# Altium PCB EDA-04211-V4_0_pcb.pcbdoc (part 7 of 12)
Units mm, origin at the board's own origin, x right, y up, seen from the top; angles counter-clockwise.
Board outline 304.8 x 128.5 mm, 14 copper layers (Top Layer, L2, L3GND, L4, L5GND, L6, L7GND, L8, L9GND, L10, L11GND, L12, L13GND, Bottom Layer), stack 4.06 mm thick; 143 components, 1224 nets, 5334 pads, 591 vias.
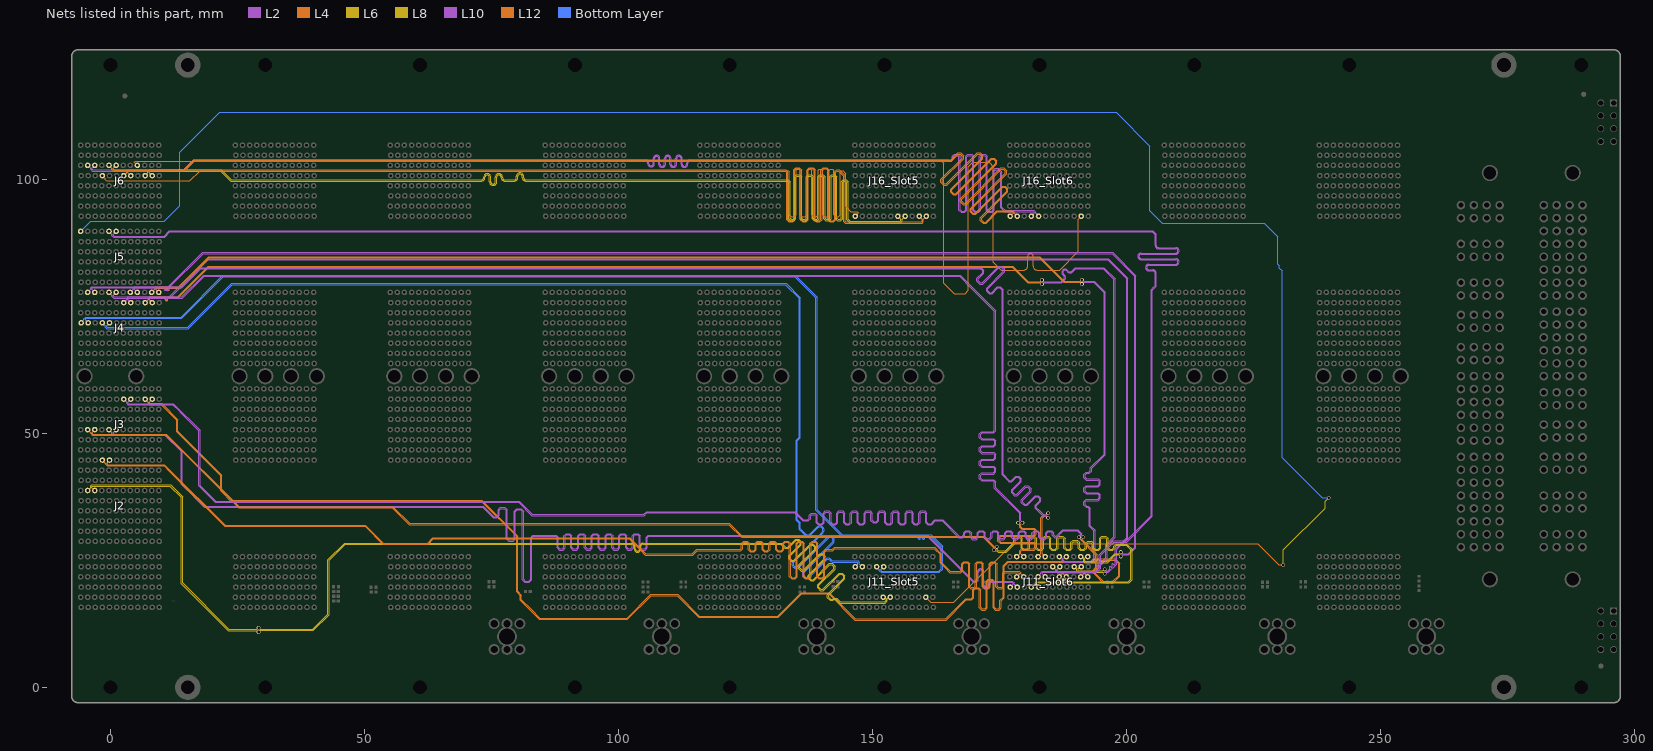
[diagram p19: the nets of this part, all layers, seen from the top]

## Via types
v1: diameter 0.75, hole 0.5, Top Layer to Bottom Layer, tented both sides, 549 vias
v2: diameter 0.85, hole 0.5, Top Layer to Bottom Layer, tented both sides, 32 vias
v3: diameter 1.3, hole 1, Top Layer to Bottom Layer, tented both sides, 10 vias

## Nets (pads, with @x,y where several pads share a name; then routed paths per layer and width w, separated by ;. In a path a pad name is that pad's centre, name@x,y a point inside that pad or via, vN(x,y) a via of type N, cw(c..) or ccw(c..) an arc to the next point about the centre after c; other vN are vias at no path point) (continued)
5_DIFF_12_P: J6.D5 J16_Slot5.A1 | length 247.7
  L4 w0.102: J6.D5@-1.58,100.75 -0.994,100.165 -0.994,99.971 -0.713,99.69 15.663,99.69 17.644,101.671 133.168,101.671 133.381,101.671 133.424,101.671 133.64,101.455 133.64,93.014 133.99,92.663 134.612,92.663 134.962,93.014 134.962,101.788 135.178,102.004 135.61,102.004 135.826,101.788 135.826,93.014 136.176,92.663 136.798,92.663 137.148,93.014 137.148,101.788 137.364,102.004 137.796,102.004 138.012,101.788 138.012,93.014 138.362,92.663 138.984,92.663 139.334,93.014 139.334,101.788 139.55,102.004 139.982,102.004 140.198,101.788 140.198,93.014 140.548,92.663 141.17,92.663 141.52,93.014 141.52,101.788 141.736,102.004 142.168,102.004 142.384,101.788 142.384,93.014 142.734,92.663 143.356,92.663 143.706,93.014 143.706,101.455 143.922,101.671 144.04,101.671 144.219,101.671 144.54,101.35 144.74,101.15 144.74,94.673 145.769,93.645 147.013,93.645 147.205,93.452 147.205,93.336 J16_Slot5.A1@146.62,92.75
5_DIFF_13_N: J6.H5 J16_Slot5.K1 | length 247.9
  L12 w0.102: J6.H5@4.02,100.75 3.434,101.335 3.434,101.482 3.598,101.646 132.565,101.646 132.851,101.646 133.13,101.366 133.13,92.065 133.544,91.652 134.292,91.652 134.706,92.065 134.706,101.807 134.986,102.087 135.545,102.087 135.824,101.807 135.824,92.065 136.238,91.652 136.986,91.652 137.4,92.065 137.4,101.807 137.679,102.087 138.238,102.087 138.518,101.807 138.518,92.065 138.932,91.652 139.68,91.652 140.094,92.065 140.094,101.807 140.373,102.087 140.932,102.087 141.212,101.807 141.212,92.065 141.626,91.652 142.374,91.652 142.788,92.065 142.788,101.366 143.067,101.646 143.186,101.646 143.344,101.646 144.4,100.59 144.4,91.66 144.676,91.384 159.783,91.384 160.034,91.636 160.035,92.165 J16_Slot5.K1@160.62,92.75
5_DIFF_13_P: J6.G5 J16_Slot5.J1 | length 247.9
  L12 w0.102: J6.G5@2.62,100.75 3.206,101.335 3.206,101.577 3.503,101.875 132.565,101.875 132.945,101.875 133.359,101.461 133.359,92.16 133.639,91.881 134.198,91.881 134.477,92.16 134.477,101.902 134.891,102.316 135.639,102.316 136.053,101.902 136.053,92.16 136.332,91.881 136.892,91.881 137.171,92.16 137.171,101.902 137.585,102.316 138.333,102.316 138.747,101.902 138.747,92.16 139.026,91.881 139.585,91.881 139.865,92.16 139.865,101.902 140.279,102.316 141.027,102.316 141.441,101.902 141.441,92.16 141.72,91.881 142.279,91.881 142.559,92.16 142.559,101.461 142.973,101.875 143.186,101.875 143.439,101.875 144.629,100.685 144.629,91.755 144.771,91.613 159.688,91.613 159.805,91.731 159.805,92.164 J16_Slot5.J1@159.22,92.75
5_DIFF_14_N: J6.K5 J16_Slot5.H1 | length 247.8
  L8 w0.12: J6.K5@8.22,100.75 7.655,101.315 7.655,101.457 7.823,101.625 21.732,101.625 23.713,99.644 71.994,99.644 73.025,99.644 ccw(c73.025,100.355) 73.736,100.355 73.736,100.426 cw(c74.177,100.426) 74.618,100.426 74.618,99.509 ccw(c75.329,99.509) 76.04,99.509 76.04,100.426 cw(c76.481,100.426) 76.922,100.426 76.922,100.355 ccw(c77.633,100.355) 77.633,99.644 78.98,99.644 79.29,99.644 79.485,99.644 ccw(c79.485,100.355) 80.196,100.355 80.196,100.564 cw(c80.637,100.564) 81.078,100.564 81.078,100.355 ccw(c81.789,100.355) 81.789,99.644 82.832,99.644 132.34,99.644 132.786,99.644 133.303,99.644 133.523,99.424 133.523,92.219 133.902,91.841 134.566,91.841 134.945,92.219 134.945,100.408 135.166,100.629 135.607,100.629 135.827,100.408 135.827,92.219 136.206,91.841 136.87,91.841 137.249,92.219 137.249,100.408 137.469,100.629 137.91,100.629 138.131,100.408 138.131,92.219 138.509,91.841 139.174,91.841 139.552,92.219 139.552,100.408 139.773,100.629 140.214,100.629 140.434,100.408 140.434,92.219 140.813,91.841 141.477,91.841 141.856,92.219 141.856,100.408 142.077,100.629 142.518,100.629 142.738,100.408 142.738,92.219 143.117,91.841 143.781,91.841 144.16,92.219 144.16,99.424 144.38,99.644 144.519,99.644 144.746,99.644 144.94,99.45 144.94,92.068 145.543,91.465 145.906,91.465 155.575,91.465 155.855,91.745 155.855,92.185 J16_Slot5.H1@156.42,92.75
5_DIFF_14_P: J6.J5 J16_Slot5.G1 | length 247.8
  L8 w0.12: J6.J5@6.82,100.75 7.385,101.315 7.385,101.569 7.711,101.895 21.844,101.895 23.825,99.914 71.994,99.914 73.025,99.914 ccw(c73.025,100.355) 73.466,100.355 73.466,100.426 cw(c74.177,100.426) 74.888,100.426 74.888,99.509 ccw(c75.329,99.509) 75.77,99.509 75.77,100.426 cw(c76.481,100.426) 77.192,100.426 77.192,100.355 ccw(c77.633,100.355) 77.633,99.914 78.98,99.914 79.29,99.914 79.485,99.914 ccw(c79.485,100.355) 79.926,100.355 79.926,100.564 cw(c80.637,100.564) 81.348,100.564 81.348,100.355 ccw(c81.789,100.355) 81.789,99.914 82.832,99.914 132.34,99.914 132.786,99.914 133.415,99.914 133.793,99.535 133.793,92.331 134.014,92.11 134.455,92.11 134.675,92.331 134.675,100.52 135.054,100.898 135.718,100.898 136.097,100.52 136.097,92.331 136.317,92.11 136.758,92.11 136.979,92.331 136.979,100.52 137.357,100.898 138.022,100.898 138.401,100.52 138.401,92.331 138.621,92.11 139.062,92.11 139.283,92.331 139.283,100.52 139.661,100.898 140.326,100.898 140.704,100.52 140.704,92.331 140.925,92.11 141.366,92.11 141.586,92.331 141.586,100.52 141.965,100.898 142.629,100.898 143.008,100.52 143.008,92.331 143.228,92.11 143.669,92.11 143.89,92.331 143.89,99.535 144.268,99.914 144.519,99.914 144.858,99.914 145.21,99.562 145.21,92.18 145.655,91.735 146.018,91.735 155.463,91.735 155.585,91.857 155.585,92.185 J16_Slot5.G1@155.02,92.75
5_DIFF_15_N: J2.C6 J11_Slot5.F2 | length 246.1
  L8 w0.12: J2.C6@-3.08,38.75 -3.645,39.315 -3.645,39.539 -3.575,39.609 11.729,39.609 13.949,37.39 13.949,20.44 23.197,11.191 28.794,11.191 29.085,10.9 v1(29.179,10.9)
  L6 w0.102: v1(29.179,10.9) 29.491,11.212 39.917,11.212 43.048,14.343 43.048,25.004 46.218,28.175 101.871,28.175 102.663,28.175 cw(c102.663,27.743) 103.095,27.743 103.095,27.269 ccw(c103.756,27.269) 103.756,26.608 ccw(c103.756,27.269) 104.417,27.269 104.417,27.743 cw(c104.849,27.743) 104.849,28.175 105.015,28.175 131.98,28.175 132.45,27.705 132.533,27.622 132.583,27.571 132.73,27.424 132.805,27.349 133.391,27.349 134.963,28.922 135.359,28.922 135.754,28.526 135.754,28.131 133.519,25.896 133.519,25.31 134.049,24.78 134.635,24.78 137.832,27.976 138.227,27.976 138.622,27.581 138.622,27.186 135.426,23.989 135.426,23.403 135.956,22.872 136.543,22.872 139.739,26.069 140.134,26.069 140.53,25.674 140.53,25.278 137.333,22.082 137.333,21.496 137.864,20.965 138.45,20.965 141.646,24.162 142.041,24.162 142.437,23.767 142.437,23.371 139.24,20.175 139.24,19.589 139.771,19.058 140.357,19.058 143.553,22.255 143.949,22.255 144.344,21.859 144.344,21.464 141.147,18.268 141.147,17.681 141.678,17.151 142.264,17.151 142.436,17.323 142.831,17.323 142.864,17.29 ; 142.865,17.29 142.916,17.24 143.49,16.665 143.492,16.665 143.557,16.601 152.49,16.601 152.934,17.046 152.934,17.426 153.259,17.75 J11_Slot5.F2@153.52,17.75
5_DIFF_15_P: J2.B6 J11_Slot5.E2 | length 246.1
  L8 w0.12: J2.B6@-4.48,38.75 -3.915,39.315 -3.915,39.651 -3.687,39.879 11.841,39.879 14.219,37.502 14.219,20.551 23.309,11.461 28.794,11.461 29.085,11.752 v1(29.179,11.752)
  L6 w0.102: v1(29.179,11.752) 29.491,11.441 39.822,11.441 42.819,14.437 42.819,25.099 46.124,28.404 101.871,28.404 102.663,28.404 cw(c102.663,27.743) 103.324,27.743 103.324,27.269 ccw(c103.756,27.269) 103.756,26.837 ccw(c103.756,27.269) 104.188,27.269 104.188,27.743 cw(c104.849,27.743) 104.849,28.404 105.015,28.404 132.075,28.404 132.612,27.867 132.695,27.784 ; 132.696,27.784 132.9,27.58 133.295,27.58 134.868,29.152 135.454,29.152 135.984,28.622 135.984,28.036 133.749,25.801 133.749,25.405 134.145,25.01 134.54,25.01 137.736,28.207 138.323,28.207 138.853,27.676 138.853,27.09 135.657,23.894 135.657,23.498 136.052,23.103 136.447,23.103 139.644,26.299 140.23,26.299 140.76,25.769 140.76,25.183 137.564,21.986 137.564,21.591 137.959,21.196 138.354,21.196 141.551,24.392 142.137,24.392 142.667,23.862 142.667,23.276 139.471,20.079 139.471,19.684 139.866,19.289 140.261,19.289 143.458,22.485 144.044,22.485 144.574,21.955 144.574,21.369 141.378,18.172 141.378,17.777 141.773,17.382 142.169,17.382 142.34,17.553 142.927,17.553 142.96,17.52 ; 142.961,17.52 143.079,17.403 143.652,16.83 152.395,16.83 152.705,17.14 152.705,17.426 152.381,17.75 J11_Slot5.E2@152.12,17.75
5_MGT_Rx_N: J4.E5 J11_Slot5.B5 | length 238.7
  Bottom Layer w0.15: J4.E5@-0.18,71.75 -0.754,71.176 -0.754,71.004 -0.639,70.889 15.247,70.889 23.868,79.51 132.991,79.51 135.831,76.67 135.831,49.147 135.252,48.568 135.252,33.004 135.831,32.424 135.831,31.298 135.831,31.204 135.963,31.072 136.864,30.172 ccw(c137.277,30.583) 137.69,30.171 139.078,31.559 ; 134.567,23.865 cw(c134.98,24.276) 134.566,24.687 140.258,30.379 ccw(c139.669,30.97) 140.259,31.56 ccw(c139.669,30.97) 139.078,31.56 ; 134.568,23.864 ccw(c134.98,24.276) 135.392,23.865 ; 135.393,23.865 141.083,29.555 ; 136.572,21.86 cw(c136.984,22.272) 136.571,22.683 142.263,28.375 ccw(c141.674,28.965) 142.264,29.556 ccw(c141.674,28.965) 141.083,29.555 ; 136.573,21.859 ccw(c136.984,22.272) 137.397,21.86 ; 137.397,21.86 140.696,25.158 cw(c141.287,24.569) 141.837,25.196 141.84,25.196 141.876,25.16 cw(c141.287,24.569) 141.877,25.158 141.914,25.122 142.019,25.017 142.161,24.875 147.165,24.875 147.414,24.626 147.414,24.198 147.862,23.75 J11_Slot5.B5@148.02,23.75
5_MGT_Rx_P: J4.D5 J11_Slot5.A5 | length 238.6
  Bottom Layer w0.15: J4.D5@-1.58,71.75 -1.006,71.176 -1.006,70.9 -0.743,70.637 13.99,70.637 15.351,70.637 23.972,79.259 132.887,79.259 135.58,76.566 135.58,49.252 135,48.672 135,32.9 135.58,32.32 135.58,31.1 135.606,31.073 135.748,30.932 ccw(c135.837,31.02) 135.749,30.931 136.686,29.994 ccw(c137.277,30.583) 137.868,29.994 139.258,31.384 cw(c139.669,30.97) 140.08,31.383 ; 134.39,24.867 ccw(c134.98,24.276) 134.39,23.686 ccw(c134.98,24.276) 135.57,23.687 141.262,29.379 cw(c141.674,28.965) 142.085,29.379 cw(c141.674,28.965) 142.086,29.378 cw(c141.674,28.965) 142.087,29.377 cw(c141.674,28.965) 142.085,28.553 136.395,22.863 ccw(c136.984,22.272) 136.394,21.681 ccw(c136.984,22.272) 137.575,21.682 ; 134.39,24.867 140.08,30.557 ccw(c139.669,30.97) 140.082,31.381 ccw(c139.669,30.97) 140.081,31.382 ; 137.575,21.682 140.874,24.98 cw(c141.287,24.569) 141.7,24.98 141.736,24.944 141.841,24.839 142.057,24.623 147.061,24.623 147.162,24.522 147.162,24.134 146.778,23.75 J11_Slot5.A5@146.62,23.75 ; 140.081,31.382 ccw(c139.669,30.97) 140.08,31.383
5_MGT_Tx_N: J4.B5 J11_Slot5.E5 | length 238.5
  Bottom Layer w0.15: J4.B5@-4.38,71.75 -4.954,72.324 -4.954,72.418 -4.754,72.618 11.958,72.618 14.03,72.618 22.248,80.836 134.663,80.836 138.848,76.65 138.848,34.867 143.972,29.743 148.584,29.743 158.858,29.743 158.903,29.738 158.945,29.723 158.983,29.699 159.015,29.668 159.039,29.63 159.053,29.588 159.058,29.543 159.058,29.352 159.063,29.308 159.078,29.266 159.102,29.228 159.134,29.196 159.172,29.172 159.214,29.157 159.258,29.152 159.303,29.157 159.345,29.172 159.383,29.196 159.415,29.228 159.439,29.266 159.453,29.308 159.458,29.352 159.458,29.543 159.463,29.588 159.478,29.63 159.502,29.668 159.534,29.699 159.572,29.723 159.614,29.738 159.658,29.743 159.703,29.738 159.745,29.723 159.783,29.699 159.815,29.668 159.839,29.63 159.853,29.588 159.858,29.543 159.858,29.352 159.863,29.308 159.878,29.266 159.902,29.228 159.934,29.196 159.972,29.172 160.014,29.157 160.058,29.152 160.103,29.157 160.145,29.172 160.183,29.196 160.215,29.228 160.239,29.266 160.253,29.308 160.258,29.352 160.258,29.543 160.263,29.588 160.278,29.63 160.302,29.668 160.334,29.699 160.372,29.723 160.414,29.738 160.458,29.743 161.512,29.743 163.572,27.683 163.572,23.393 163.061,22.883 151.837,22.883 151.646,23.074 151.646,23.176 J11_Slot5.E5@152.22,23.75
5_MGT_Tx_P: J4.A5 J11_Slot5.D5 | length 238.5
  Bottom Layer w0.15: J4.A5@-5.78,71.75 -5.206,72.324 -5.206,72.522 -4.858,72.87 11.958,72.87 13.926,72.87 22.143,81.087 134.767,81.087 139.1,76.755 139.1,34.971 144.077,29.995 148.584,29.995 158.858,29.995 161.616,29.995 163.824,27.788 163.824,23.289 163.166,22.631 151.733,22.631 151.394,22.97 151.394,23.176 J11_Slot5.D5@150.82,23.75
5_SERVMOD: J5.A6 J11_Slot5.K2 | length 419.7
  L8 w0.102: v1(230.881,24.09) 230.881,27.075 239.1,35.294 239.1,36.618 v1(239.823,37.341)
  L12 w0.102: J11_Slot5.K2@160.52,17.75 160.52,17.714 161.488,16.746 166.06,16.746 177.591,28.278 225.826,28.278 230.014,24.09 v1(230.881,24.09)
  Bottom Layer w0.102: J5.A6@-5.88,89.75 -4.055,91.575 -3.849,91.781 10.551,91.781 13.62,94.85 13.62,105.341 21.475,113.197 27.52,113.197 197.973,113.197 204.62,106.55 204.62,93.85 207.073,91.397 225.946,91.397 227.173,91.397 229.82,88.75 229.82,83.276 230.088,83.008 230.088,82.51 230.635,81.963 230.635,45.235 238.529,37.341 v1(239.823,37.341)
6_CLK_N: J5.F6 J11_Slot6.F4 | length 318
  L2 w0.102: J5.F6@1.12,89.75 0.534,89.165 0.534,89.038 0.728,88.845 9.723,88.845 10.571,88.844 11.603,89.876 205.148,89.876 205.862,89.162 205.862,87.183 205.862,87.018 ccw(c206.294,87.018) 206.294,86.586 209.717,86.586 cw(c209.717,85.925) 210.378,85.925 cw(c209.717,85.925) 209.717,85.264 202.89,85.264 ccw(c202.89,84.832) 202.458,84.832 ccw(c202.89,84.832) 202.89,84.4 209.717,84.4 cw(c209.717,83.739) 210.378,83.739 cw(c209.717,83.739) 209.717,83.078 204.414,83.078 ccw(c204.414,82.646) 203.982,82.646 ccw(c204.414,82.646) 204.414,82.214 205.201,82.214 cw(c205.201,81.553) 205.862,81.553 205.862,78.961 205.744,78.843 205.12,78.219 205.12,33.687 200.033,28.6 197.5,28.6 194.9,26 194.9,23.467 194.085,22.652 183.557,22.652 183.414,22.509 183.414,22.336 J11_Slot6.F4@184,21.75
6_CLK_P: J5.E6 J11_Slot6.E4 | length 318
  L2 w0.102: J5.E6@-0.28,89.75 0.306,89.165 0.306,88.943 0.633,88.615 10.666,88.615 11.698,89.647 205.053,89.647 205.633,89.067 205.633,87.183 205.633,87.018 ccw(c206.294,87.018) 206.294,86.357 209.717,86.357 cw(c209.717,85.925) 210.149,85.925 cw(c209.717,85.925) 209.717,85.493 202.89,85.493 ccw(c202.89,84.832) 202.229,84.832 ccw(c202.89,84.832) 202.89,84.171 209.717,84.171 cw(c209.717,83.739) 210.149,83.739 cw(c209.717,83.739) 209.717,83.307 204.414,83.307 ccw(c204.414,82.646) 203.753,82.646 ccw(c204.414,82.646) 204.414,81.985 205.201,81.985 cw(c205.201,81.553) 205.633,81.553 205.633,79.055 205.42,78.843 204.891,78.313 204.891,33.782 199.938,28.829 197.405,28.829 194.671,26.095 194.671,23.562 193.99,22.881 183.462,22.881 183.186,22.604 183.186,22.336 J11_Slot6.E4@182.6,21.75
6_DIFF_0_N: J3.C4 J11_Slot6.E3 | length 268.3
  L4 w0.102: J3.C4@-3.08,50.75 -3.665,50.164 -3.665,50.083 -3.438,49.856 11.04,49.856 25.325,35.571 55.621,35.571 58.922,32.269 121.845,32.269 124.334,29.779 171.896,29.779 172.334,29.342 172.61,29.066 173.51,28.165 ; 173.51,28.165 174.009,27.666 174.468,27.666 v1(174.478,27.656)
  L8 w0.12: v1(174.478,27.656) 174.478,27.486 174.621,27.342 174.621,27.135 174.907,26.85 176.24,26.85 177.421,28.031 177.844,28.454 177.844,29.322 178.286,29.764 179.077,29.764 179.519,29.322 179.519,27.509 179.803,27.225 180.371,27.225 180.655,27.509 180.655,29.322 181.097,29.764 181.889,29.764 182.331,29.322 182.331,27.509 182.615,27.225 183.183,27.225 183.467,27.509 183.467,29.322 183.909,29.764 184.701,29.764 185.143,29.322 185.143,27.509 185.427,27.225 185.995,27.225 186.279,27.509 186.279,29.322 186.721,29.764 187.512,29.764 187.954,29.322 187.954,27.509 188.238,27.225 188.806,27.225 189.09,27.509 189.09,28.521 189.533,28.963 190.324,28.963 190.766,28.521 190.766,27.509 191.05,27.225 191.618,27.225 191.902,27.509 191.902,28.321 192.344,28.763 193.136,28.763 193.578,28.321 193.578,27.509 193.862,27.225 194.43,27.225 194.714,27.509 194.714,29.322 195.156,29.764 195.947,29.764 196.389,29.322 196.389,27.509 196.673,27.225 197.241,27.225 197.525,27.509 197.525,27.778 197.968,28.22 198.346,28.22 200.062,28.22 201.11,27.172 201.11,21.138 200.522,20.55 182.384,20.55 182.135,20.301 182.135,20.202 182.587,19.75 J11_Slot6.E3@182.7,19.75
6_DIFF_0_P: J3.B4 J11_Slot6.D3 | length 268.3
  L4 w0.102: J3.B4@-4.48,50.75 -3.895,50.164 -3.895,49.988 -3.533,49.626 10.945,49.626 14.39,46.182 25.23,35.342 55.526,35.342 58.827,32.04 121.75,32.04 124.24,29.55 171.802,29.55 172.105,29.247 172.367,28.985 173.281,28.071 173.848,27.504 v1@173.848,27.046
  L8 w0.12: v1(173.886,27.043) 174.057,27.043 174.179,26.921 174.454,26.921 174.795,26.58 176.352,26.58 177.421,27.649 178.114,28.342 178.114,29.21 178.398,29.494 178.966,29.494 179.25,29.21 179.25,27.397 179.692,26.955 180.483,26.955 180.925,27.397 180.925,29.21 181.209,29.494 181.777,29.494 182.061,29.21 182.061,27.397 182.503,26.955 183.295,26.955 183.737,27.397 183.737,29.21 184.021,29.494 184.589,29.494 184.873,29.21 184.873,27.397 185.315,26.955 186.107,26.955 186.549,27.397 186.549,29.21 186.833,29.494 187.401,29.494 187.685,29.21 187.685,27.397 188.127,26.955 188.918,26.955 189.36,27.397 189.36,28.409 189.644,28.693 190.212,28.693 190.496,28.409 190.496,27.397 190.938,26.955 191.73,26.955 192.172,27.397 192.172,28.209 192.456,28.493 193.024,28.493 193.308,28.209 193.308,27.397 193.75,26.955 194.542,26.955 194.984,27.397 194.984,29.21 195.268,29.494 195.836,29.494 196.12,29.21 196.12,27.397 196.562,26.955 197.353,26.955 197.795,27.397 197.795,27.666 198.079,27.95 198.346,27.95 199.95,27.95 200.84,27.06 200.84,21.25 200.41,20.82 182.272,20.82 181.865,20.413 181.865,20.202 181.413,19.75 J11_Slot6.D3@181.3,19.75
6_DIFF_1_N: J3.F4 J11_Slot6.B3 | length 270.3
  L10 w0.102: J3.F4@1.12,50.75 0.534,50.164 0.534,50.049 0.728,49.856 10.837,49.856 14.168,46.525 14.168,40.117 16.606,37.679 18.613,35.672 73.418,35.672 75.166,33.924 75.47,33.62 75.955,33.62 76.298,33.963 76.298,34.949 76.775,35.426 77.651,35.426 78.128,34.949 78.128,29.361 78.471,29.018 79.157,29.018 79.5,29.361 79.5,34.693 79.977,35.17 80.853,35.17 81.33,34.693 81.33,21.242 81.673,20.899 82.359,20.899 82.702,21.242 82.702,29.49 83.179,29.967 83.392,29.967 85.145,29.967 87.748,29.967 88.162,29.554 88.162,27.532 88.441,27.253 89,27.253 89.28,27.532 89.28,29.813 89.693,30.226 90.442,30.226 90.856,29.813 90.856,27.532 91.135,27.253 91.694,27.253 91.974,27.532 91.974,29.813 92.387,30.226 93.136,30.226 93.55,29.813 93.55,27.532 93.829,27.253 94.388,27.253 94.668,27.532 94.668,29.813 95.081,30.226 95.83,30.226 96.244,29.813 96.244,27.532 96.523,27.253 97.082,27.253 97.362,27.532 97.362,29.813 97.775,30.226 98.524,30.226 98.938,29.813 98.938,27.532 99.217,27.253 99.776,27.253 100.056,27.532 100.056,29.813 100.469,30.226 101.218,30.226 101.632,29.813 101.632,27.532 101.911,27.253 102.47,27.253 102.75,27.532 102.75,29.813 103.163,30.226 103.912,30.226 104.326,29.813 104.326,27.532 104.605,27.253 105.164,27.253 105.444,27.532 105.444,29.554 105.857,29.967 106.07,29.967 160.868,29.967 169.936,20.9 170.033,20.9 170.199,20.9 ccw(c170.199,21.331) 170.631,21.331 170.631,22.669 cw(c171.292,22.669) 171.953,22.669 171.953,20.175 ccw(c172.385,20.175) 172.817,20.175 172.817,20.239 cw(c173.478,20.239) 173.478,20.9 175.206,20.9 177.563,20.9 177.915,20.548 177.915,20.335 J11_Slot6.B3@178.5,19.75
6_DIFF_1_P: J3.E4 J11_Slot6.A3 | length 270.3
  L10 w0.102: J3.E4@-0.28,50.75 0.306,50.164 0.306,49.954 0.633,49.626 10.742,49.626 13.939,46.43 13.939,40.022 16.282,37.679 16.444,37.517 18.518,35.443 73.323,35.443 75.166,33.6 75.375,33.391 76.05,33.391 76.527,33.868 76.527,34.854 76.87,35.197 77.556,35.197 77.899,34.854 77.899,29.266 78.376,28.789 79.252,28.789 79.729,29.266 79.729,34.598 80.072,34.941 80.758,34.941 81.101,34.598 81.101,21.147 81.578,20.67 82.454,20.67 82.931,21.147 82.931,29.395 83.274,29.738 83.392,29.738 85.145,29.738 87.653,29.738 87.933,29.459 87.933,27.437 88.346,27.024 89.095,27.024 89.509,27.437 89.509,29.718 89.788,29.997 90.347,29.997 90.627,29.718 90.627,27.437 91.04,27.024 91.789,27.024 92.203,27.437 92.203,29.718 92.482,29.997 93.041,29.997 93.321,29.718 93.321,27.437 93.734,27.024 94.483,27.024 94.897,27.437 94.897,29.718 95.176,29.997 95.735,29.997 96.015,29.718 96.015,27.437 96.428,27.024 97.177,27.024 97.591,27.437 97.591,29.718 97.87,29.997 98.429,29.997 98.709,29.718 98.709,27.437 99.122,27.024 99.871,27.024 100.285,27.437 100.285,29.718 100.564,29.997 101.123,29.997 101.403,29.718 101.403,27.437 101.816,27.024 102.565,27.024 102.979,27.437 102.979,29.718 103.258,29.997 103.817,29.997 104.097,29.718 104.097,27.437 104.51,27.024 105.259,27.024 105.673,27.437 105.673,29.459 105.952,29.738 106.07,29.738 160.773,29.738 169.841,20.67 170.033,20.67 170.199,20.67 ccw(c170.199,21.331) 170.86,21.331 170.86,22.669 cw(c171.292,22.669) 171.724,22.669 171.724,20.175 ccw(c172.385,20.175) 173.046,20.175 173.046,20.239 cw(c173.478,20.239) 173.478,20.67 175.206,20.67 177.468,20.67 177.685,20.453 177.685,20.335 J11_Slot6.A3@177.1,19.75
6_DIFF_2_N: J3.E1 J11_Slot6.C4 | length 270.5
  L4 w0.102: J3.E1@-0.18,44.75 -0.766,44.165 -0.766,44.11 -0.491,43.836 10.646,43.836 11.621,42.861 22.569,31.913 50.21,31.913 53.741,28.383 62.428,28.383 63.495,29.449 102.241,29.449 104.44,27.25 105.408,26.282 114.531,26.282 115.399,27.15 122.339,27.15 123.95,27.15 124.23,27.429 124.23,28.378 124.643,28.792 125.392,28.792 125.806,28.378 125.806,27.159 126.085,26.88 126.644,26.88 126.924,27.159 126.924,28.378 127.337,28.792 128.086,28.792 128.5,28.378 128.5,27.159 128.779,26.88 129.338,26.88 129.618,27.159 129.618,28.378 130.031,28.792 130.78,28.792 131.194,28.378 131.194,27.159 131.473,26.88 132.032,26.88 132.312,27.159 132.312,28.378 132.725,28.792 133.474,28.792 133.887,28.378 133.887,21.877 134.167,21.597 134.726,21.597 135.005,21.877 135.005,28.378 135.419,28.792 136.168,28.792 136.581,28.378 136.581,21.877 136.861,21.597 137.42,21.597 137.699,21.877 137.699,28.378 138.113,28.792 138.862,28.792 139.275,28.378 139.275,21.877 139.555,21.597 140.114,21.597 140.393,21.877 140.393,26.736 140.807,27.15 141.02,27.15 142.14,27.15 142.54,27.55 162.24,27.55 163.54,26.25 163.54,24.65 165.36,22.83 167.175,22.83 167.293,22.83 167.573,23.109 167.573,24.305 167.986,24.719 168.735,24.719 169.149,24.305 169.149,19.949 169.428,19.669 169.987,19.669 170.267,19.949 170.267,24.305 170.68,24.719 171.429,24.719 171.843,24.305 171.843,19.949 172.122,19.669 172.681,19.669 172.961,19.949 172.961,24.305 173.374,24.719 174.123,24.719 174.537,24.305 174.537,19.949 174.816,19.669 175.375,19.669 175.655,19.949 175.655,22.416 176.068,22.83 176.609,22.83 177.009,22.83 178.934,22.83 179.087,22.677 179.215,22.55 179.215,22.336 J11_Slot6.C4@179.8,21.75
6_DIFF_2_P: J3.D1 J11_Slot6.B4 | length 270.5
  L4 w0.102: J3.D1@-1.58,44.75 -0.994,44.165 -0.994,44.015 -0.586,43.607 10.551,43.607 11.526,42.632 22.474,31.684 50.116,31.684 53.646,28.154 62.523,28.154 63.589,29.22 102.146,29.22 104.116,27.25 104.278,27.088 105.313,26.053 114.626,26.053 115.494,26.921 122.339,26.921 124.045,26.921 124.459,27.335 124.459,28.283 124.738,28.563 125.297,28.563 125.577,28.283 125.577,27.065 125.99,26.651 126.739,26.651 127.153,27.065 127.153,28.283 127.432,28.563 127.991,28.563 128.271,28.283 128.271,27.065 128.684,26.651 129.433,26.651 129.847,27.065 129.847,28.283 130.126,28.563 130.685,28.563 130.965,28.283 130.965,27.065 131.378,26.651 132.127,26.651 132.54,27.065 132.54,28.283 132.82,28.563 133.379,28.563 133.658,28.283 133.658,21.782 134.072,21.368 134.821,21.368 135.234,21.782 135.234,28.283 135.514,28.563 136.073,28.563 136.352,28.283 136.352,21.782 136.766,21.368 137.515,21.368 137.928,21.782 137.928,28.283 138.208,28.563 138.767,28.563 139.046,28.283 139.046,21.782 139.46,21.368 140.209,21.368 140.622,21.782 140.622,26.642 140.902,26.921 141.02,26.921 142.235,26.921 142.635,27.321 162.145,27.321 163.311,26.155 163.311,24.555 164.216,23.65 165.265,22.601 167.175,22.601 167.388,22.601 167.802,23.015 167.802,24.21 168.081,24.49 168.64,24.49 168.92,24.21 168.92,19.854 169.333,19.44 170.082,19.44 170.496,19.854 170.496,24.21 170.775,24.49 171.334,24.49 171.614,24.21 171.614,19.854 172.027,19.44 172.776,19.44 173.19,19.854 173.19,24.21 173.469,24.49 174.028,24.49 174.308,24.21 174.308,19.854 174.721,19.44 175.47,19.44 175.884,19.854 175.884,22.321 176.163,22.601 176.609,22.601 178.839,22.601 178.985,22.455 178.985,22.336 J11_Slot6.B4@178.4,21.75
6_DIFF_3_N: J3.H7 J11_Slot6.L4 | length 269.9
  L2 w0.102: J3.H7@4.02,56.75 3.434,56.165 3.434,55.988 3.547,55.875 6.751,55.875 12.399,55.875 17.648,50.626 17.648,39.736 18.841,38.542 20.746,36.637 80.436,36.637 83.027,34.047 104.998,34.047 105.532,34.58 134.786,34.58 136.387,32.979 137.19,32.979 137.309,32.979 137.588,33.258 137.588,33.842 138.002,34.255 138.75,34.255 139.164,33.842 139.164,32.499 139.444,32.219 140.003,32.219 140.282,32.499 140.282,34.315 140.696,34.729 141.444,34.729 141.858,34.315 141.858,32.499 142.138,32.219 142.697,32.219 142.976,32.499 142.976,34.315 143.39,34.729 144.138,34.729 144.552,34.315 144.552,32.499 144.832,32.219 145.391,32.219 145.67,32.499 145.67,34.315 146.084,34.729 146.832,34.729 147.246,34.315 147.246,32.499 147.526,32.219 148.085,32.219 148.364,32.499 148.364,34.315 148.778,34.729 149.526,34.729 149.94,34.315 149.94,32.877 150.22,32.598 150.779,32.598 151.058,32.877 151.058,34.315 151.472,34.729 152.22,34.729 152.634,34.315 152.634,32.499 152.914,32.219 153.473,32.219 153.752,32.499 153.752,34.315 154.166,34.729 154.914,34.729 155.328,34.315 155.328,32.499 155.608,32.219 156.167,32.219 156.446,32.499 156.446,34.315 156.86,34.729 157.608,34.729 158.022,34.315 158.022,32.499 158.301,32.219 158.861,32.219 159.14,32.499 159.14,34.315 159.554,34.729 160.302,34.729 160.716,34.315 160.716,32.499 160.995,32.219 161.554,32.219 161.834,32.499 161.834,32.565 162.248,32.979 163.512,32.979 163.835,32.979 167.085,29.729 167.541,29.729 167.66,29.729 167.939,30.008 167.939,30.426 168.353,30.839 169.101,30.839 169.515,30.426 169.515,29.601 169.795,29.321 170.354,29.321 170.633,29.601 170.633,30.426 171.047,30.839 171.795,30.839 172.209,30.426 172.209,29.601 172.489,29.321 173.048,29.321 173.327,29.601 173.327,30.426 173.741,30.839 174.489,30.839 174.903,30.426 174.903,29.601 175.183,29.321 175.742,29.321 176.021,29.601 176.021,30.426 176.435,30.839 177.183,30.839 177.597,30.426 177.597,29.601 177.877,29.321 178.436,29.321 178.715,29.601 178.715,30.426 179.129,30.839 179.877,30.839 180.291,30.426 180.291,29.601 180.571,29.321 181.13,29.321 181.409,29.601 181.409,30.426 181.823,30.839 182.571,30.839 182.985,30.426 182.985,29.601 183.265,29.321 183.824,29.321 184.103,29.601 184.103,30.426 184.517,30.839 185.265,30.839 185.679,30.426 185.679,30.008 185.959,29.729 186.086,29.729 186.177,29.729 187.472,31.024 190.437,31.024 190.92,30.541 191.199,30.262 191.199,29.902 191.511,29.59 v1(191.511,29.551)
  L4 w0.102: v1(191.511,29.551) 191.511,29.512 191.199,29.2 191.199,29.116 194.241,26.073 194.241,25.004 194.241,23.571 193.322,22.652 191.964,22.652 191.815,22.502 191.815,22.336 J11_Slot6.L4@192.4,21.75
6_DIFF_3_P: J3.G7 J11_Slot6.K4 | length 269.9
  L2 w0.102: J3.G7@2.62,56.75 3.206,56.165 3.206,55.893 3.452,55.646 12.304,55.646 13.533,54.417 13.695,54.255 17.419,50.532 17.419,39.641 18.679,38.38 18.841,38.219 20.652,36.408 80.342,36.408 82.932,33.818 105.093,33.818 105.627,34.351 134.691,34.351 136.148,32.894 136.292,32.75 137.19,32.75 137.403,32.75 137.817,33.164 137.817,33.747 138.097,34.026 138.656,34.026 138.935,33.747 138.935,32.404 139.349,31.99 140.097,31.99 140.511,32.404 140.511,34.22 140.791,34.5 141.35,34.5 141.629,34.22 141.629,32.404 142.043,31.99 142.791,31.99 143.205,32.404 143.205,34.22 143.485,34.5 144.044,34.5 144.323,34.22 144.323,32.404 144.737,31.99 145.485,31.99 145.899,32.404 145.899,34.22 146.179,34.5 146.738,34.5 147.017,34.22 147.017,32.404 147.431,31.99 148.179,31.99 148.593,32.404 148.593,34.22 148.873,34.5 149.432,34.5 149.711,34.22 149.711,32.782 150.125,32.369 150.873,32.369 151.287,32.782 151.287,34.22 151.567,34.5 152.126,34.5 152.405,34.22 152.405,32.404 152.819,31.99 153.567,31.99 153.981,32.404 153.981,34.22 154.261,34.5 154.82,34.5 155.099,34.22 155.099,32.404 155.513,31.99 156.261,31.99 156.675,32.404 156.675,34.22 156.955,34.5 157.514,34.5 157.793,34.22 157.793,32.404 158.207,31.99 158.955,31.99 159.369,32.404 159.369,34.22 159.648,34.5 160.207,34.5 160.487,34.22 160.487,32.404 160.901,31.99 161.649,31.99 162.063,32.404 162.063,32.471 162.342,32.75 163.512,32.75 163.74,32.75 166.99,29.5 167.541,29.5 167.754,29.5 168.168,29.913 168.168,30.331 168.448,30.61 169.007,30.61 169.286,30.331 169.286,29.506 169.7,29.092 170.448,29.092 170.862,29.506 170.862,30.331 171.142,30.61 171.701,30.61 171.98,30.331 171.98,29.506 172.394,29.092 173.142,29.092 173.556,29.506 173.556,30.331 173.836,30.61 174.395,30.61 174.674,30.331 174.674,29.506 175.088,29.092 175.836,29.092 176.25,29.506 176.25,30.331 176.53,30.61 177.089,30.61 177.368,30.331 177.368,29.506 177.782,29.092 178.53,29.092 178.944,29.506 178.944,30.331 179.224,30.61 179.783,30.61 180.062,30.331 180.062,29.506 180.476,29.092 181.224,29.092 181.638,29.506 181.638,30.331 181.918,30.61 182.477,30.61 182.756,30.331 182.756,29.506 183.17,29.092 183.918,29.092 184.332,29.506 184.332,30.331 184.612,30.61 185.171,30.61 185.45,30.331 185.45,29.913 185.864,29.5 186.086,29.5 186.271,29.5 187.567,30.795 190.342,30.795 190.596,30.541 190.97,30.167 190.97,29.902 190.659,29.59 v1(190.659,29.551)
  L4 w0.102: v1(190.659,29.551) 190.659,29.512 190.97,29.2 190.97,29.021 194.012,25.979 194.012,23.666 193.227,22.881 191.87,22.881 191.585,22.597 191.585,22.336 J11_Slot6.K4@191,21.75
6_DIFF_4_N: J3.K7 J11_Slot6.I4 | length 270.4
  L12 w0.102: J3.K7@8.22,56.75 7.635,56.165 7.635,56.03 7.764,55.901 8.681,55.901 10.087,55.901 13.279,52.709 13.279,50.404 21.94,41.743 21.94,38.771 23.896,36.815 73.147,36.815 80.169,29.793 80.169,18.896 80.913,18.152 80.913,17.239 82.793,15.359 84.537,13.615 101.693,13.615 106.364,18.286 111.65,18.286 115.891,14.044 131.392,14.044 135.964,18.616 141.495,18.616 146.651,13.46 164.413,13.46 168.403,17.45 168.922,17.45 169.443,17.45 169.723,17.729 169.723,19.231 170.137,19.645 170.885,19.645 171.299,19.231 171.299,15.732 171.578,15.452 172.137,15.452 172.417,15.732 172.417,20.908 172.831,21.322 173.579,21.322 173.993,20.908 173.993,15.732 174.272,15.452 174.831,15.452 175.111,15.732 175.111,17.121 175.711,17.721 175.711,21.373 175.711,23.945 176.615,24.849 177.256,24.849 193.715,24.849 194.145,25.279 197.835,25.279 197.902,25.212 198.702,24.412 198.702,21.888 197.435,20.621 195.369,20.621 193.94,22.05 193.356,22.634 187.703,22.634 187.615,22.546 187.615,22.335 J11_Slot6.I4@188.2,21.75
6_DIFF_4_P: J3.J7 J11_Slot6.H4 | length 270.4
  L12 w0.102: J3.J7@6.82,56.75 7.405,56.165 7.405,55.935 7.669,55.672 9.993,55.672 11.958,53.706 12.12,53.544 13.05,52.614 13.05,50.309 20.6,42.759 21.711,41.648 21.711,38.676 23.801,36.586 73.052,36.586 79.94,29.698 79.94,18.801 80.684,18.058 80.684,17.144 84.443,13.386 84.892,13.386 101.787,13.386 106.459,18.057 111.555,18.057 115.797,13.815 131.487,13.815 136.059,18.387 141.4,18.387 146.556,13.231 164.508,13.231 168.498,17.221 168.922,17.221 169.538,17.221 169.952,17.635 169.952,19.136 170.231,19.416 170.79,19.416 171.07,19.136 171.07,15.637 171.484,15.223 172.232,15.223 172.646,15.637 172.646,20.813 172.925,21.093 173.484,21.093 173.764,20.813 173.764,15.637 174.177,15.223 174.926,15.223 175.34,15.637 175.34,17.026 175.737,17.424 175.94,17.626 175.94,23.85 176.71,24.62 177.256,24.62 193.81,24.62 194.24,25.05 197.74,25.05 198.473,24.317 198.473,21.983 197.34,20.85 195.464,20.85 194.264,22.05 193.45,22.863 187.608,22.863 187.386,22.641 187.386,22.336 J11_Slot6.H4@186.8,21.75
6_DIFF_5_N: J4.H7 J11_Slot6.K5 | length 270.1
  L8 w0.12: J11_Slot6.K5@191.1,23.75 190.903,23.75 190.535,23.382 190.535,23.061 190.675,22.921 195.342,22.921 195.633,23.212 v1(195.727,23.212)
  L10 w0.102: J4.H7@4.02,75.75 3.434,76.336 3.434,76.412 3.649,76.627 10.22,76.627 10.627,76.627 cw(c10.627,76.449) 10.805,76.449 10.805,76.297 ccw(c10.983,76.297) 10.983,76.119 ccw(c10.983,76.297) 11.161,76.297 11.161,76.449 cw(c11.339,76.449) 11.339,76.627 11.704,76.627 19.212,84.135 196.343,84.135 200.071,80.407 200.071,29.424 198.642,27.995 198.197,27.551 197.82,27.173 197.82,24.453 197.82,24.374 197.673,24.226 cw(c197.547,24.352) 197.421,24.226 197.411,24.236 ccw(c197.285,24.11) 197.159,24.236 ccw(c197.285,24.11) 197.16,23.984 197.169,23.974 cw(c197.043,23.849) 197.169,23.723 cw(c197.043,23.849) 196.917,23.723 196.908,23.732 ccw(c196.782,23.607) 196.656,23.732 ccw(c196.782,23.607) 196.656,23.481 196.666,23.471 cw(c196.54,23.345) 196.666,23.219 196.63,23.183 196.347,22.901 196.078,22.901 195.766,23.212 v1(195.727,23.212)
6_DIFF_5_P: J4.G7 J11_Slot6.J5 | length 270.1
  L8 w0.12: J11_Slot6.J5@189.7,23.75 189.897,23.75 190.265,23.382 190.265,22.95 190.563,22.652 195.342,22.652 195.633,22.36 v1(195.727,22.36)
  L10 w0.102: J4.G7@2.62,75.75 3.206,76.336 3.206,76.507 3.554,76.856 11.609,76.856 19.117,84.364 196.438,84.364 200.3,80.502 200.3,29.33 198.804,27.834 198.426,27.456 198.049,27.079 198.049,24.279 196.442,22.672 196.078,22.672 195.766,22.36 v1(195.727,22.36)
6_DIFF_6_N: J4.K7 J11_Slot6.H5 | length 267.8
  L4 w0.102: J4.K7@8.22,75.75 7.635,76.336 7.635,76.421 7.865,76.652 10.356,76.652 10.763,76.652 cw(c10.763,76.474) 10.941,76.474 10.941,76.322 ccw(c11.119,76.322) 11.119,76.144 ccw(c11.119,76.322) 11.297,76.322 11.297,76.474 cw(c11.475,76.474) 11.475,76.652 12.02,76.652 12.847,76.652 13.365,76.652 19.4,82.687 177.497,82.687 180.537,79.646 183.006,79.646 183.318,79.335 v1(183.357,79.335)
  L10 w0.102: v1(183.357,79.335) 183.396,79.335 183.708,79.646 187.275,79.646 187.721,80.092 187.839,80.21 ccw(c187.371,80.676) 187.838,81.143 187.605,81.376 cw(c187.911,81.682) 187.605,81.987 cw(c187.911,81.682) 188.216,81.987 188.448,81.755 ccw(c188.916,82.222) 189.384,81.754 189.99,82.361 190.037,82.408 195.473,82.408 197.556,80.325 197.556,29.621 195.97,28.035 195.97,25.374 195.331,24.736 195.044,24.448 cw(c194.918,24.574) 194.792,24.448 ccw(c194.666,24.322) 194.54,24.448 ccw(c194.666,24.322) 194.54,24.196 ; J11_Slot6.H5@186.9,23.75 186.314,23.164 186.314,23.023 186.518,22.82 193.416,22.82 193.858,23.262 194.037,23.441 ccw(c193.911,23.567) 194.037,23.693 cw(c194.163,23.819) 194.037,23.944 cw(c194.163,23.819) 194.288,23.944 ccw(c194.414,24.07) 194.54,23.944 ccw(c194.414,24.07) 194.54,24.196
6_DIFF_6_P: J4.J7 J11_Slot6.G5 | length 267.8
  L4 w0.102: J4.J7@6.82,75.75 7.405,76.336 7.405,76.516 7.77,76.881 13.27,76.881 19.305,82.916 177.591,82.916 180.632,79.875 183.006,79.875 183.318,80.187 v1(183.357,80.187)
  L10 w0.102: v1(183.357,80.187) 183.396,80.187 183.708,79.875 187.181,79.875 187.559,80.254 187.676,80.371 ccw(c187.371,80.676) 187.676,80.982 187.443,81.214 cw(c187.911,81.682) 187.443,82.149 187.445,82.15 cw(c187.911,81.682) 188.378,82.149 188.397,82.13 188.611,81.916 ccw(c188.916,82.222) 189.222,81.916 189.828,82.523 189.943,82.637 195.568,82.637 197.785,80.42 197.785,29.526 196.199,27.94 196.199,25.279 193.51,22.591 186.423,22.591 186.086,22.928 186.086,23.164 J11_Slot6.G5@185.5,23.75
6_DIFF_7_N: J4.C8 J11_Slot6.F6 | length 269.9
  L2 w0.102: J4.C8@-3.08,77.75 -3.665,78.335 -3.665,78.549 -3.59,78.624 10.42,78.624 10.827,78.624 cw(c10.827,78.446) 11.005,78.446 11.005,78.294 ccw(c11.183,78.294) 11.183,78.116 ccw(c11.183,78.294) 11.361,78.294 11.361,78.446 cw(c11.539,78.446) 11.539,78.624 11.882,78.624 12.12,78.624 14.01,78.624 17.793,82.408 171.313,82.408 171.375,82.346 171.458,82.262 171.685,82.035 171.685,81.64 170.559,80.513 170.559,79.928 171.088,79.399 171.673,79.399 174.985,82.711 175.381,82.711 175.776,82.316 175.776,81.92 172.464,78.608 172.464,78.023 172.993,77.494 173.578,77.494 174.705,78.62 175.1,78.62 175.183,78.537 175.52,78.2 175.52,41.818 176.715,40.624 176.865,40.473 177.45,40.473 178.313,41.336 178.708,41.336 179.103,40.94 179.103,40.545 177.417,38.859 177.417,38.274 177.946,37.744 178.531,37.744 180.218,39.431 180.613,39.431 181.008,39.036 181.008,38.64 179.322,36.954 179.322,36.369 179.851,35.839 180.436,35.839 182.122,37.526 182.518,37.526 182.913,37.131 182.913,36.735 182.05,35.873 182.05,35.288 182.658,34.68 183.622,33.716 184.222,33.716 184.534,33.405 v1(184.573,33.405)
  L4 w0.102: J11_Slot6.F6@184,25.75 183.414,26.335 183.414,33.33 183.801,33.716 184.222,33.716 184.534,33.405 v1(184.573,33.405)
6_DIFF_7_P: J4.B8 J11_Slot6.E6 | length 269.9
  L2 w0.102: J4.B8@-4.48,77.75 -3.895,78.335 -3.895,78.644 -3.685,78.853 13.915,78.853 17.698,82.637 171.407,82.637 171.537,82.507 171.62,82.424 171.914,82.13 171.914,81.545 170.788,80.419 170.788,80.023 171.183,79.628 171.579,79.628 174.891,82.94 175.476,82.94 176.005,82.411 176.005,81.826 172.693,78.514 172.693,78.118 173.088,77.723 173.484,77.723 174.61,78.849 175.195,78.849 175.262,78.782 175.345,78.699 175.749,78.295 175.749,41.913 176.876,40.786 176.96,40.702 177.355,40.702 178.218,41.565 178.803,41.565 179.332,41.035 179.332,40.45 177.646,38.764 177.646,38.369 178.041,37.973 178.436,37.973 180.123,39.66 180.708,39.66 181.237,39.13 181.237,38.545 179.551,36.859 179.551,36.464 179.946,36.068 180.341,36.068 182.028,37.755 182.613,37.755 183.142,37.225 183.142,36.64 182.279,35.778 182.279,35.383 182.82,34.842 183.717,33.945 184.222,33.945 184.534,34.257 v1(184.573,34.257)
  L4 w0.102: J11_Slot6.E6@182.6,25.75 183.186,26.335 183.186,33.424 183.706,33.945 184.222,33.945 184.534,34.257 v1(184.573,34.257)
6_DIFF_8_N: J4.F8 J11_Slot6.C6 | length 269.9
  L2 w0.102: J4.F8@1.12,77.75 0.534,77.165 0.534,77.091 0.753,76.872 13.562,76.872 14.067,76.872 18.333,81.138 167.273,81.138 174.256,74.155 174.256,50.9 174.256,50.489 173.842,50.075 171.573,50.075 171.294,49.796 171.294,49.237 171.573,48.957 173.863,48.957 174.277,48.543 174.277,47.795 173.863,47.381 171.573,47.381 171.294,47.102 171.294,46.543 171.573,46.263 173.863,46.263 174.277,45.849 174.277,45.101 173.863,44.687 171.573,44.687 171.294,44.408 171.294,43.849 171.573,43.569 173.863,43.569 174.277,43.155 174.277,42.407 173.863,41.993 171.573,41.993 171.294,41.714 171.294,41.155 171.573,40.875 173.842,40.875 174.256,40.461 174.256,40.249 174.256,39.332 179.214,34.373 179.214,32.766 179.526,32.454 v1(179.526,32.415)
  L4 w0.102: v1(179.526,32.415) 179.526,32.376 179.214,32.064 179.214,31.75 179.215,31.703 179.215,31.585 179.494,31.305 181.815,31.305 182.229,30.891 182.229,30.143 181.815,29.729 175.22,29.729 174.941,29.45 174.941,28.891 175.22,28.611 181.815,28.611 182.229,28.197 182.229,27.449 181.815,27.035 179.494,27.035 179.215,26.756 179.215,26.605 179.215,26.335 J11_Slot6.C6@179.8,25.75
6_DIFF_8_P: J4.E8 J11_Slot6.B6 | length 269.9
  L2 w0.102: J4.E8@-0.28,77.75 0.306,77.165 0.306,76.996 0.658,76.643 14.162,76.643 18.428,80.909 167.178,80.909 169.295,78.792 174.027,74.06 174.027,50.9 174.027,50.584 173.747,50.304 171.478,50.304 171.065,49.89 171.065,49.142 171.478,48.728 173.768,48.728 174.048,48.449 174.048,47.89 173.768,47.61 171.478,47.61 171.065,47.196 171.065,46.448 171.478,46.034 173.768,46.034 174.048,45.755 174.048,45.196 173.768,44.916 171.478,44.916 171.065,44.502 171.065,43.754 171.478,43.34 173.768,43.34 174.048,43.061 174.048,42.502 173.768,42.222 171.478,42.222 171.065,41.808 171.065,41.06 171.478,40.646 173.747,40.646 174.027,40.367 174.027,40.249 174.027,39.237 178.985,34.278 178.985,32.766 178.674,32.454 v1(178.674,32.415)
  L4 w0.102: J11_Slot6.B6@178.4,25.75 178.985,26.335 178.985,26.605 178.985,26.85 179.399,27.264 181.72,27.264 182,27.544 182,28.103 181.72,28.382 175.125,28.382 174.712,28.796 174.712,29.544 175.125,29.958 181.72,29.958 182,30.238 182,30.797 181.72,31.076 179.399,31.076 178.985,31.49 178.985,31.655 178.985,31.703 178.985,32.064 178.674,32.376 v1(178.674,32.415)
6_DIFF_9_N: J4.I8 J11_Slot6.L6 | length 269.9
  L8 w0.12: J11_Slot6.L6@192.4,25.75 192.203,25.75 191.835,25.382 191.835,25.112 191.831,25.108 191.831,24.904 191.901,24.834 193.02,24.834 193.295,24.834 ccw(c193.295,25.021) 193.482,25.021 cw(c193.669,25.021) 193.856,25.021 ccw(c194.043,25.021) 194.23,25.021 194.23,25.031 cw(c194.417,25.031) 194.604,25.031 194.604,25.021 ccw(c194.791,25.021) 194.791,24.834 195.225,24.834 196.191,24.834 197.685,26.327 198.517,26.327 198.808,26.618 v1(198.902,26.618)
  L10 w0.102: J4.I8@5.32,77.75 4.734,78.335 4.734,78.424 4.97,78.659 10.02,78.659 10.427,78.659 cw(c10.427,78.481) 10.605,78.481 10.605,78.329 ccw(c10.783,78.329) 10.783,78.151 ccw(c10.783,78.329) 10.961,78.329 10.961,78.481 cw(c11.139,78.481) 11.139,78.659 11.511,78.659 18.257,85.405 197.191,85.405 201.62,80.976 201.62,32.036 201.62,27.544 200.383,26.307 199.253,26.307 198.941,26.618 v1(198.902,26.618)
6_DIFF_9_P: J4.H8 J11_Slot6.K6 | length 269.9
  L8 w0.12: J11_Slot6.K6@191,25.75 191.197,25.75 191.565,25.382 191.565,25.224 191.561,25.22 191.561,24.792 191.789,24.564 196.303,24.564 197.797,26.057 198.517,26.057 198.808,25.766 v1(198.902,25.766)
  L10 w0.102: J4.H8@3.92,77.75 4.506,78.335 4.506,78.518 4.875,78.888 11.416,78.888 18.162,85.634 197.286,85.634 201.849,81.071 201.849,32.036 201.849,27.449 200.478,26.078 199.253,26.078 198.941,25.766 v1(198.902,25.766)
6_DIFF_10_N: J4.L8 J11_Slot6.I6 | length 267.8
  L4 w0.102: J4.L8@9.52,77.75 8.935,78.335 8.935,78.407 9.135,78.608 10.661,78.608 11.068,78.608 cw(c11.068,78.43) 11.246,78.43 11.246,78.315 ccw(c11.424,78.315) 11.424,78.137 ccw(c11.424,78.315) 11.602,78.315 11.602,78.43 cw(c11.78,78.43) 11.78,78.608 12.187,78.608 12.62,78.608 13.511,78.608 19.444,84.541 182.855,84.541 187.687,79.709 190.88,79.709 191.192,79.397 v1(191.231,79.397)
  L10 w0.102: J11_Slot6.I6@188.2,25.75 187.939,25.75 187.615,25.426 187.615,25.007 187.77,24.852 193.009,24.852 193.593,25.436 193.593,26.325 193.593,26.621 ccw(c193.415,26.621) 193.415,26.799 193.398,26.799 cw(c193.398,26.977) 193.22,26.977 cw(c193.398,26.977) 193.398,27.155 193.415,27.155 ccw(c193.415,27.333) 193.593,27.333 ccw(c193.415,27.333) 193.415,27.511 193.398,27.511 cw(c193.398,27.689) 193.22,27.689 cw(c193.398,27.689) 193.398,27.867 193.415,27.867 ccw(c193.415,28.045) 193.593,28.045 193.593,28.452 193.593,30.829 192.671,31.752 192.671,35.024 192.671,35.143 192.392,35.422 192.048,35.422 191.635,35.836 191.635,36.584 192.048,36.998 194.374,36.998 194.653,37.278 194.653,37.837 194.374,38.116 192.048,38.116 191.635,38.53 191.635,39.278 192.048,39.692 194.374,39.692 194.653,39.972 194.653,40.531 194.374,40.81 192.048,40.81 191.635,41.224 191.635,41.972 192.048,42.386 192.628,42.386 192.907,42.665 192.907,42.839 192.907,43.241 195.6,45.933 195.6,77.7 193.591,79.709 191.582,79.709 191.27,79.397 v1(191.231,79.397)
6_DIFF_10_P: J4.K8 J11_Slot6.H6 | length 267.8
  L4 w0.102: J4.K8@8.12,77.75 8.705,78.335 8.705,78.502 9.04,78.837 13.416,78.837 19.349,84.77 182.95,84.77 187.782,79.938 190.88,79.938 191.192,80.249 v1(191.231,80.249)
  L10 w0.102: J11_Slot6.H6@186.8,25.75 187.061,25.75 187.386,25.426 187.386,24.912 187.675,24.623 193.104,24.623 193.822,25.341 193.822,30.924 192.9,31.847 192.9,35.024 192.9,35.237 192.486,35.651 192.143,35.651 191.864,35.931 191.864,36.49 192.143,36.769 194.469,36.769 194.882,37.183 194.882,37.931 194.469,38.345 192.143,38.345 191.864,38.625 191.864,39.184 192.143,39.463 194.469,39.463 194.882,39.877 194.882,40.625 194.469,41.039 192.143,41.039 191.864,41.319 191.864,41.878 192.143,42.157 192.723,42.157 193.136,42.571 193.136,42.839 193.136,43.146 195.829,45.839 195.829,77.795 193.686,79.938 191.582,79.938 191.27,80.249 v1(191.231,80.249)
6_DIFF_11_N: J6.C6 J16_Slot6.E1 | length 270.4
  L10 w0.102: J6.C6@-3.08,102.75 -3.665,102.164 -3.665,102.082 -3.447,101.863 14.442,101.863 16.398,103.818 104.55,103.818 105.339,103.818 cw(c105.339,103.158) 106,103.158 106,103.107 ccw(c106.432,103.107) 106.432,102.675 ccw(c106.432,103.107) 106.864,103.107 106.864,104.084 cw(c107.525,104.084) 107.525,104.745 cw(c107.525,104.084) 108.186,104.084 108.186,102.998 ccw(c108.618,102.998) 108.618,102.566 ccw(c108.618,102.998) 109.05,102.998 109.05,104.084 cw(c109.711,104.084) 109.711,104.745 cw(c109.711,104.084) 110.372,104.084 110.372,102.998 ccw(c110.804,102.998) 110.804,102.566 ccw(c110.804,102.998) 111.236,102.998 111.236,104.084 cw(c111.897,104.084) 111.897,104.745 cw(c111.897,104.084) 112.558,104.084 112.558,102.998 ccw(c112.99,102.998) 112.99,102.566 ccw(c112.99,102.998) 113.422,102.998 113.422,103.158 cw(c114.083,103.158) 114.083,103.818 114.249,103.818 164.433,103.818 165.403,103.818 165.682,104.098 165.682,104.506 166.096,104.919 166.845,104.919 167.258,104.506 167.258,94.026 167.538,93.747 168.097,93.747 168.376,94.026 168.376,104.506 168.79,104.919 169.539,104.919 169.952,104.506 169.952,94.026 170.232,93.747 170.791,93.747 171.07,94.026 171.07,104.506 171.484,104.919 172.233,104.919 172.646,104.506 172.646,94.026 172.926,93.747 173.485,93.747 173.764,94.026 173.764,101.737 174.178,102.151 174.763,102.151 174.881,102.033 175.35,101.564 ; 175.365,101.557 175.5,101.422 175.5,94.5 176.101,93.899 181.779,93.899 182.114,93.564 182.114,93.336 J16_Slot6.E1@182.7,92.75
6_DIFF_11_P: J6.B6 J16_Slot6.D1 | length 270.4
  L10 w0.102: J6.B6@-4.48,102.75 -3.895,102.164 -3.895,101.987 -3.541,101.634 14.537,101.634 16.492,103.59 104.55,103.59 105.339,103.59 cw(c105.339,103.158) 105.771,103.158 105.771,103.107 ccw(c106.432,103.107) 106.432,102.446 ccw(c106.432,103.107) 107.093,103.107 107.093,104.084 cw(c107.525,104.084) 107.525,104.516 cw(c107.525,104.084) 107.957,104.084 107.957,102.998 ccw(c108.618,102.998) 108.618,102.337 ccw(c108.618,102.998) 109.279,102.998 109.279,104.084 cw(c109.711,104.084) 109.711,104.516 cw(c109.711,104.084) 110.143,104.084 110.143,102.998 ccw(c110.804,102.998) 110.804,102.337 ccw(c110.804,102.998) 111.465,102.998 111.465,104.084 cw(c111.897,104.084) 111.897,104.516 cw(c111.897,104.084) 112.329,104.084 112.329,102.998 ccw(c112.99,102.998) 112.99,102.337 ccw(c112.99,102.998) 113.651,102.998 113.651,103.158 cw(c114.083,103.158) 114.083,103.59 114.249,103.59 164.433,103.59 165.498,103.59 165.911,104.003 165.911,104.411 166.191,104.69 166.75,104.69 167.029,104.411 167.029,93.931 167.443,93.518 168.192,93.518 168.605,93.931 168.605,104.411 168.885,104.69 169.444,104.69 169.723,104.411 169.723,93.931 170.137,93.518 170.886,93.518 171.299,93.931 171.299,104.411 171.579,104.69 172.138,104.69 172.417,104.411 172.417,93.931 172.831,93.518 173.58,93.518 173.993,93.931 173.993,101.642 174.273,101.922 174.668,101.922 174.881,101.709 175.271,101.319 175.271,94.405 176.006,93.67 181.684,93.67 181.886,93.469 181.886,93.336 J16_Slot6.D1@181.3,92.75
6_DIFF_12_N: J6.F6 J16_Slot6.B1 | length 270.3
  L4 w0.102: J6.F6@1.12,102.75 0.534,102.164 0.534,102.017 0.626,101.926 14.476,101.926 16.432,103.881 164.698,103.881 164.888,103.881 164.997,103.772 165.393,103.772 166.831,105.21 167.416,105.21 167.945,104.681 167.945,104.096 163.728,99.879 163.728,99.483 164.123,99.088 164.519,99.088 170.641,105.21 171.226,105.21 171.755,104.681 171.755,104.096 165.633,97.974 165.633,97.579 166.028,97.183 166.424,97.183 173.391,104.151 173.976,104.151 174.505,103.621 174.505,103.036 167.538,96.069 167.538,95.674 167.933,95.278 168.328,95.278 175.296,102.246 175.881,102.246 176.41,101.716 176.41,101.131 169.443,94.164 169.443,93.769 169.838,93.373 170.233,93.373 175.515,98.655 176.1,98.655 176.63,98.126 176.63,97.541 171.475,92.386 171.475,91.991 171.87,91.595 172.265,91.595 174.518,93.848 175.404,93.848 177.613,93.848 177.915,93.547 177.915,93.336 J16_Slot6.B1@178.5,92.75
6_DIFF_12_P: J6.E6 J16_Slot6.A1 | length 270.3
  L4 w0.102: J6.E6@-0.28,102.75 0.306,102.164 0.306,101.922 0.531,101.696 14.571,101.696 16.527,103.652 164.469,103.652 164.793,103.652 164.902,103.543 165.487,103.543 166.926,104.981 167.321,104.981 167.716,104.586 167.716,104.191 163.499,99.974 163.499,99.389 164.028,98.859 164.613,98.859 170.735,104.981 171.131,104.981 171.526,104.586 171.526,104.191 165.404,98.069 165.404,97.484 165.933,96.954 166.518,96.954 173.486,103.922 173.881,103.922 174.276,103.526 174.276,103.131 167.309,96.164 167.309,95.579 167.838,95.049 168.423,95.049 175.391,102.017 175.786,102.017 176.181,101.621 176.181,101.226 169.214,94.259 169.214,93.674 169.743,93.144 170.328,93.144 175.61,98.426 176.006,98.426 176.401,98.031 176.401,97.636 171.246,92.481 171.246,91.896 171.775,91.366 172.36,91.366 174.613,93.619 175.175,93.619 177.519,93.619 177.685,93.452 177.685,93.336 J16_Slot6.A1@177.1,92.75
6_DIFF_13_N: J6.I6 J16_Slot6.K1 | length 270.3
  L12 w0.102: J6.I6@5.32,102.75 4.734,103.336 4.734,103.493 4.843,103.601 161.786,103.601 163.689,103.602 164.073,103.217 164.073,79.517 166.069,77.521 168.235,77.521 168.902,78.188 168.902,102.447 169.778,103.323 173.03,103.323 173.83,102.523 173.83,83.637 174.078,83.388 175.345,82.121 179.595,82.121 179.761,82.121 ccw(c179.761,82.909) 180.549,82.909 180.549,84.824 cw(c181.108,84.824) 181.108,85.383 cw(c181.108,84.824) 181.667,84.824 181.667,82.909 ccw(c182.455,82.909) 182.455,82.121 186.024,82.121 186.835,82.121 190.514,85.801 190.514,91.71 190.515,92.164 J16_Slot6.K1@191.1,92.75

## Text inside footprints (layer, text, board x,y; h text height)
J24_Slot6: Drill Drawing "Diam. 0.5mm +/-0.05" at 176.572,79.75 h1; Drill Drawing "PRESS-FIT TECHNOLOGY" at 175.691,81.25 h1; Bottom Overlay "8" at 195.3,77.4 h1 r270; Bottom Overlay "7" at 195.3,75.4 h1 r270; Bottom Overlay "6" at 195.3,73.4 h1 r270; Bottom Overlay "5" at 195.3,71.4 h1 r270; Bottom Overlay "4" at 195.3,69.4 h1 r270; Bottom Overlay "3" at 195.3,67.4 h1 r270; Bottom Overlay "2" at 195.3,65.4 h1 r270; Bottom Overlay "1" at 195.3,63.4 h1 r270; Mechanical 14 "8" at 195.3,77.4 h1 r270; Mechanical 14 "7" at 195.3,75.4 h1 r270; Mechanical 14 "6" at 195.3,73.4 h1 r270; Mechanical 14 "5" at 195.3,71.4 h1 r270; Mechanical 14 "4" at 195.3,69.4 h1 r270; Mechanical 14 "3" at 195.3,67.4 h1 r270; Mechanical 14 "2" at 195.3,65.4 h1 r270; Mechanical 14 "1" at 195.3,63.4 h1 r270; Mechanical 14 "L" at 192,61.55 h1 r270; Mechanical 14 "L" at 192,61.55 h1 r270; Mechanical 14 "K" at 190.6,61.55 h1 r270; Mechanical 14 "K" at 190.6,61.55 h1 r270; Mechanical 14 "J" at 189.2,61.55 h1 r270; Mechanical 14 "J" at 189.2,61.55 h1 r270; Mechanical 14 "I" at 187.8,61.8 h1 r270; Mechanical 14 "I" at 187.8,61.8 h1 r270; Mechanical 14 "H" at 186.4,61.55 h1 r270; Mechanical 14 "H" at 186.4,61.55 h1 r270; Mechanical 14 "G" at 185,61.55 h1 r270; Mechanical 14 "G" at 185,61.55 h1 r270; Mechanical 14 "F" at 183.6,61.55 h1 r270; Mechanical 14 "F" at 183.6,61.55 h1 r270; Mechanical 14 "E" at 182.2,61.55 h1 r270; Mechanical 14 "E" at 182.2,61.55 h1 r270; Mechanical 14 "C" at 179.4,61.55 h1 r270; Mechanical 14 "D" at 180.8,61.55 h1 r270; Mechanical 14 "D" at 180.8,61.55 h1 r270; Mechanical 14 "C" at 179.4,61.55 h1 r270; Mechanical 14 "B" at 178,61.55 h1 r270; Mechanical 14 "B" at 178,61.55 h1 r270; Mechanical 14 "A" at 176.6,61.55 h1 r270; Mechanical 14 "A" at 176.6,61.55 h1 r270
J24_Slot7: Drill Drawing "Diam. 0.5mm +/-0.05" at 207.092,79.55 h1; Drill Drawing "PRESS-FIT TECHNOLOGY" at 206.211,81.05 h1; Bottom Overlay "8" at 225.78,77.4 h1 r270; Bottom Overlay "7" at 225.78,75.4 h1 r270; Bottom Overlay "6" at 225.78,73.4 h1 r270; Bottom Overlay "5" at 225.78,71.4 h1 r270; Bottom Overlay "4" at 225.78,69.4 h1 r270; Bottom Overlay "3" at 225.78,67.4 h1 r270; Bottom Overlay "2" at 225.78,65.4 h1 r270; Bottom Overlay "1" at 225.78,63.4 h1 r270; Mechanical 14 "8" at 225.78,77.4 h1 r270; Mechanical 14 "7" at 225.78,75.4 h1 r270; Mechanical 14 "6" at 225.78,73.4 h1 r270; Mechanical 14 "5" at 225.78,71.4 h1 r270; Mechanical 14 "4" at 225.78,69.4 h1 r270; Mechanical 14 "3" at 225.78,67.4 h1 r270; Mechanical 14 "2" at 225.78,65.4 h1 r270; Mechanical 14 "1" at 225.78,63.4 h1 r270; Mechanical 14 "L" at 222.48,61.55 h1 r270; Mechanical 14 "K" at 221.08,61.55 h1 r270; Mechanical 14 "J" at 219.68,61.55 h1 r270; Mechanical 14 "I" at 218.28,61.8 h1 r270; Mechanical 14 "H" at 216.88,61.55 h1 r270; Mechanical 14 "G" at 215.48,61.55 h1 r270; Mechanical 14 "F" at 214.08,61.55 h1 r270; Mechanical 14 "D" at 211.28,61.55 h1 r270; Mechanical 14 "E" at 212.68,61.55 h1 r270; Mechanical 14 "C" at 209.88,61.55 h1 r270; Mechanical 14 "B" at 208.48,61.55 h1 r270; Mechanical 14 "A" at 207.08,61.55 h1 r270